# Altium PCB LF_UltraLight_JDY08.PcbDoc (part 1 of 2)
Units mil, origin at the board's own origin, x right, y up, seen from the top; angles counter-clockwise.
Board outline 5133.86 x 1917.32 mil, 4 copper layers (Top Layer, Int1 (GND), Int2 (PWR), Bottom Layer), stack 21.665 mil thick; 72 components, 77 nets, 407 pads, 150 vias.
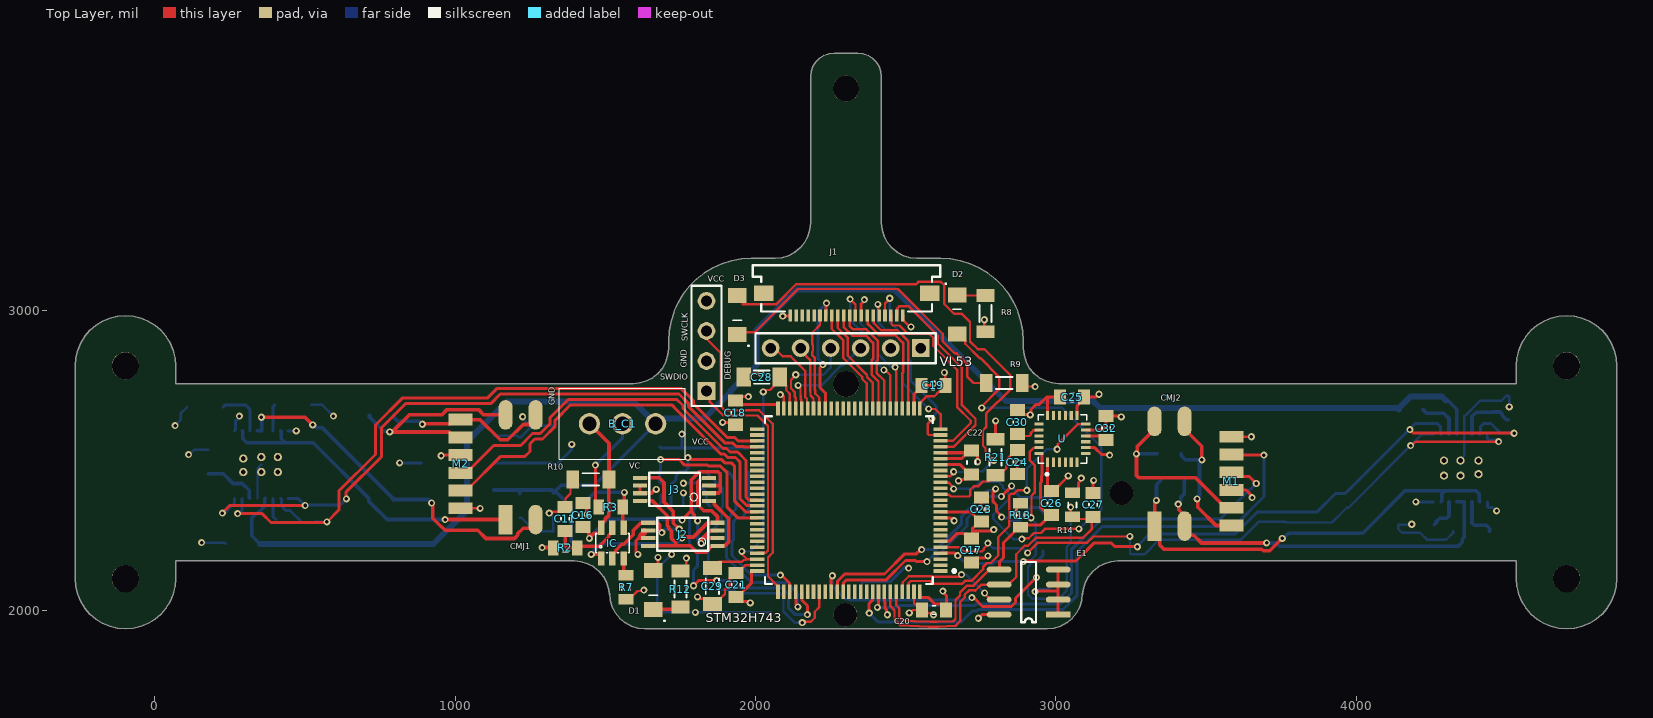
[diagram p0: Top Layer view]
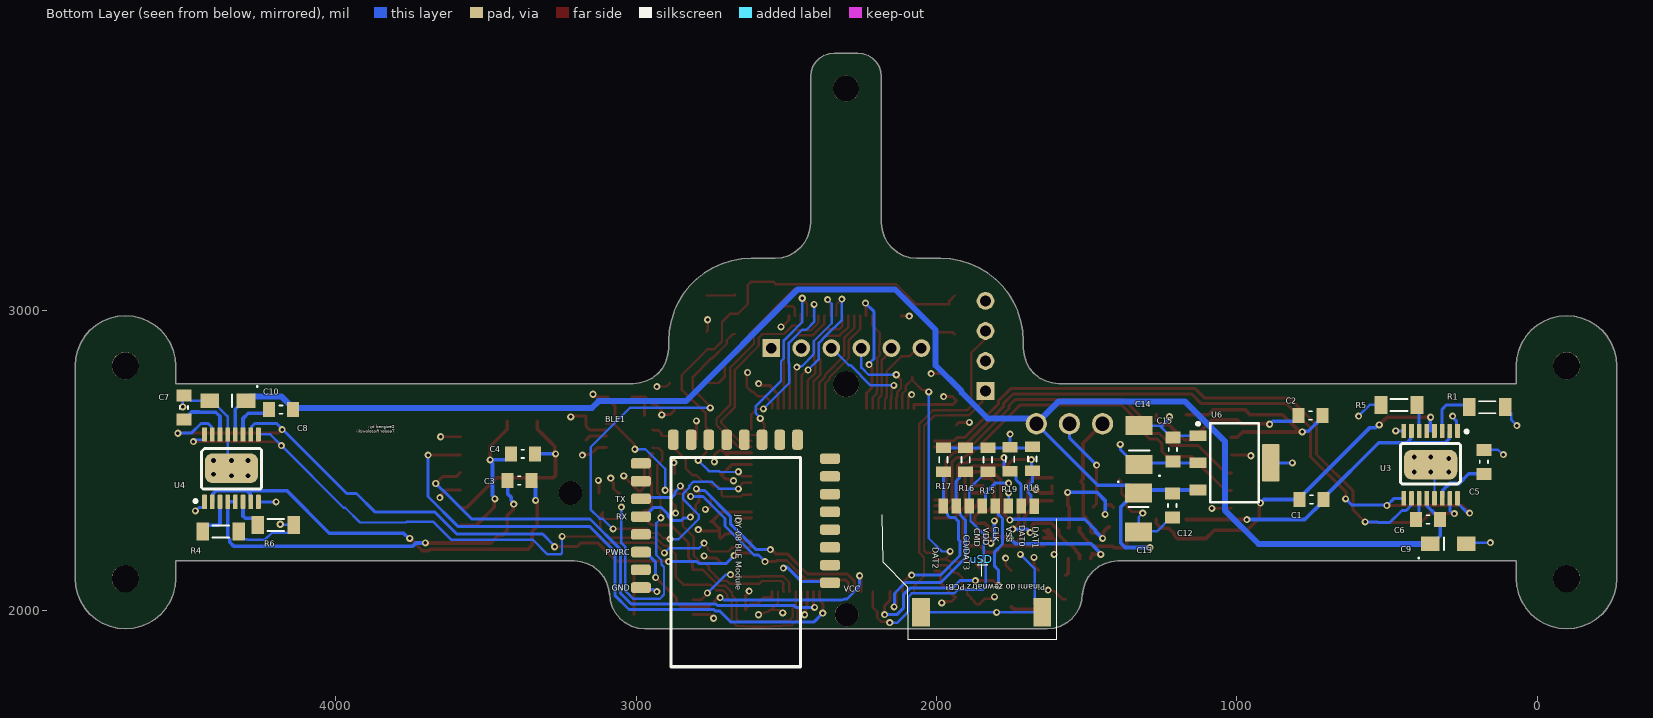
[diagram p1: Bottom Layer view, seen from below]
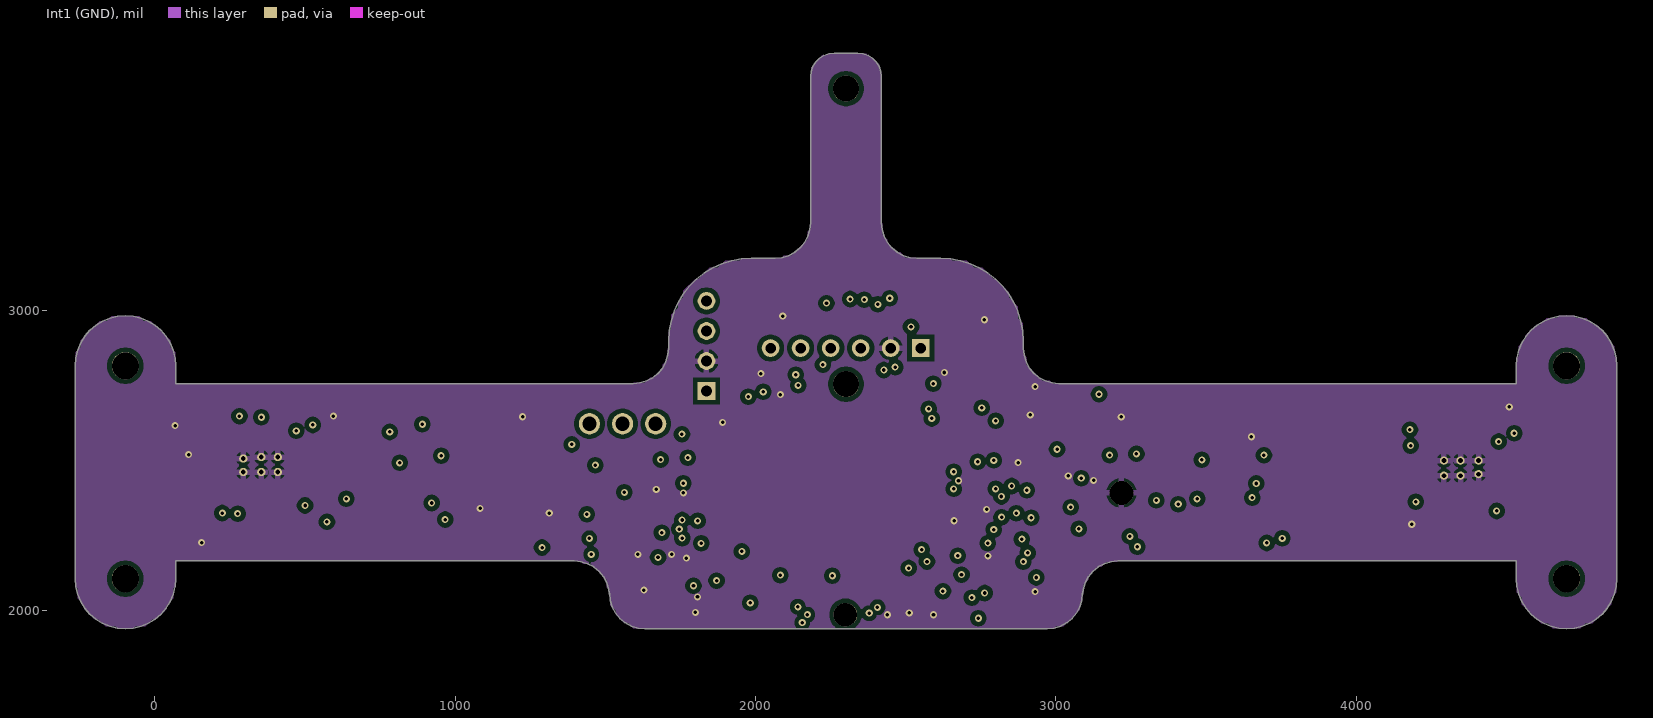
[diagram p2: Int1 (GND)]
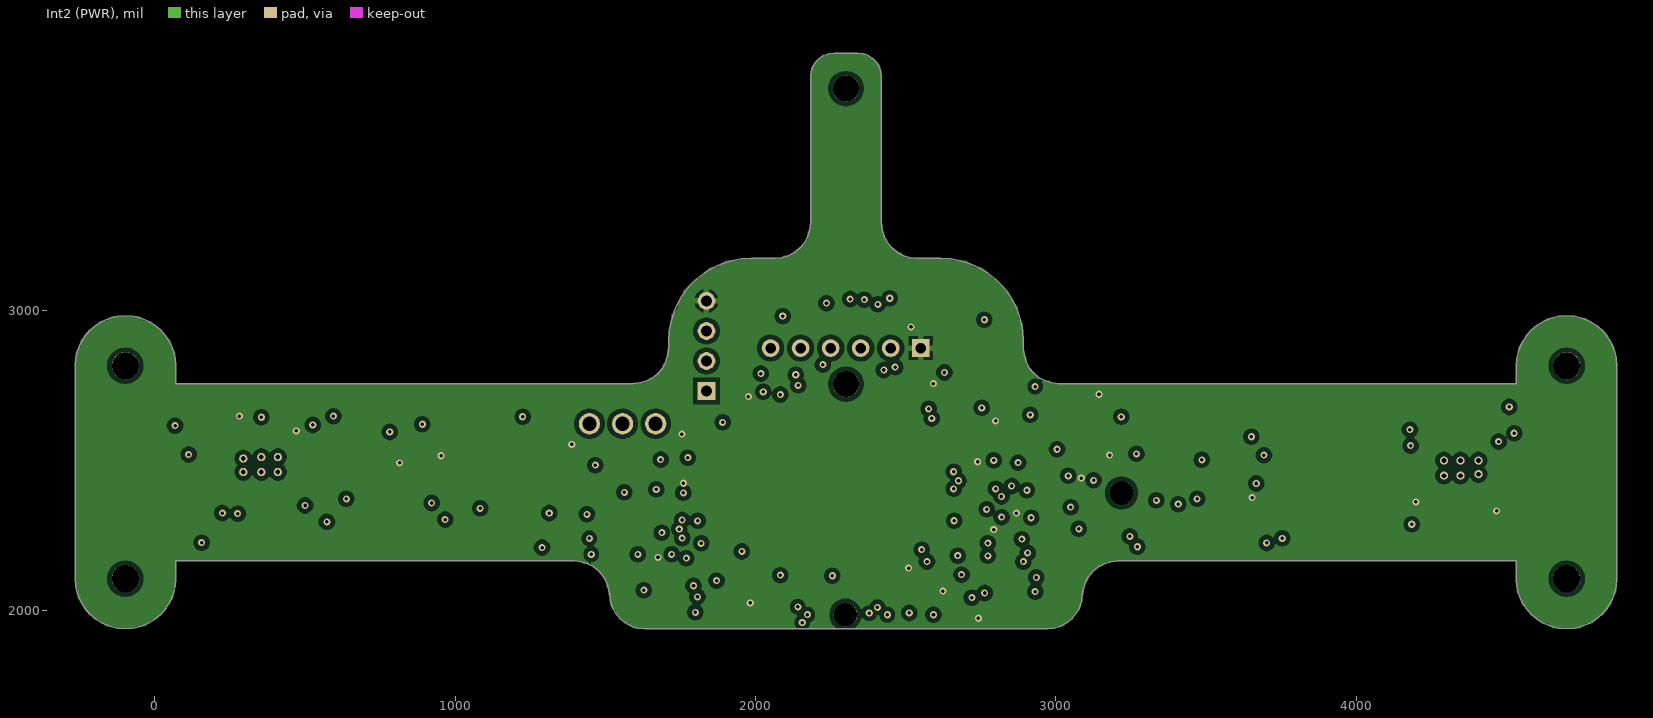
[diagram p3: Int2 (PWR)]
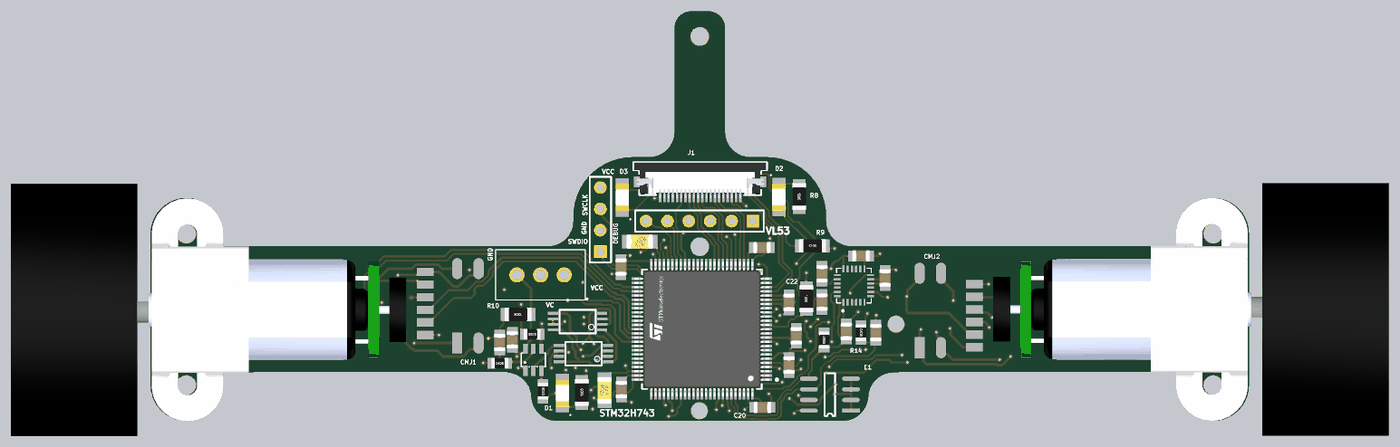
[diagram p5: 3D render of the assembled board from above, using the file's embedded part models]
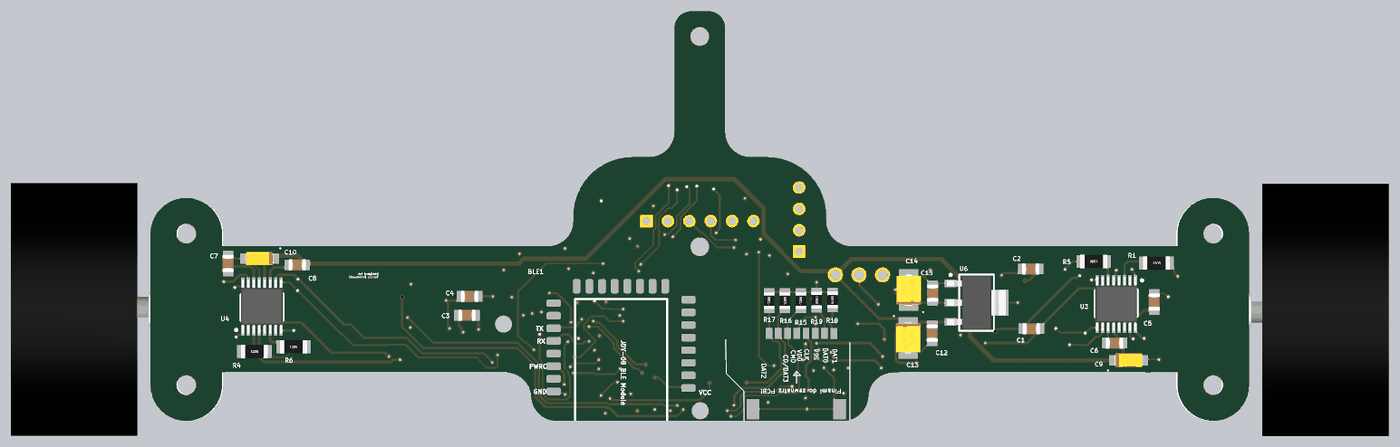
[diagram p6: 3D render of the assembled board from below, using the file's embedded part models]

## Layer stack, top to bottom
Top Solder: solder mask 1, SM-001, Dk 4
Top Layer: signal copper 0.3543
Dielectric 2: prepreg 5.1, PP-017, Dk 4.3
Int1 (GND): signal copper 1.378
Dielectric 3: core 8, Core-025, Dk 4.6
Int2 (PWR): signal copper 1.378
Dielectric 4: prepreg 5.1, PP-017, Dk 4.3
Bottom Layer: signal copper 0.3543
Bottom Solder: solder mask 1, SM-001, Dk 4

## Board outline
68.89,2814.95 66.83,2841.13 60.7,2866.66 50.65,2890.92 36.93,2913.31 19.88,2933.27 -0.08,2950.32 -22.47,2964.04 -46.73,2974.09 -72.26,2980.22 -98.43,2982.28 -124.61,2980.22 -150.14,2974.09 -174.4,2964.04 -196.78,2950.32 -216.75,2933.27 -233.8,2913.31 -247.52,2890.92 -257.57,2866.66 -263.7,2841.13 -265.76,2814.95 -265.76,2106.29 -263.7,2080.12 -257.57,2054.59 -247.52,2030.33 -233.8,2007.94 -216.75,1987.98 -196.78,1970.93 -174.4,1957.21 -150.14,1947.16 -124.61,1941.03 -98.43,1938.97 -72.26,1941.03 -46.73,1947.16 -22.47,1957.21 -0.08,1970.93 19.88,1987.98 36.93,2007.94 50.65,2030.33 60.7,2054.59 66.83,2080.12 68.89,2106.29 68.89,2165.35 1395.66,2165.35 1418.7,2163.08 1440.86,2156.36 1461.28,2145.44 1479.18,2130.75 1493.87,2112.86 1504.78,2092.44 1511.5,2070.28 1513.77,2047.24 1513.77,2057.08 1516.04,2034.04 1522.76,2011.88 1533.68,1991.46 1548.37,1973.56 1566.26,1958.87 1586.68,1947.96 1608.84,1941.24 1631.88,1938.97 2970.47,1938.97 2993.51,1941.24 3015.66,1947.96 3036.08,1958.87 3053.98,1973.56 3068.67,1991.46 3079.59,2011.88 3086.31,2034.04 3088.58,2057.08 3088.58,2047.24 3090.84,2070.28 3097.56,2092.44 3108.48,2112.86 3123.17,2130.75 3141.06,2145.44 3161.49,2156.36 3183.64,2163.08 3206.68,2165.35 4533.45,2165.35 4533.45,2106.29 4535.52,2080.12 4541.65,2054.59 4551.69,2030.33 4565.42,2007.94 4582.47,1987.98 4602.43,1970.93 4624.81,1957.21 4649.08,1947.16 4674.61,1941.03 4700.78,1938.97 4726.95,1941.03 4752.49,1947.16 4776.74,1957.21 4799.13,1970.93 4819.09,1987.98 4836.15,2007.94 4849.86,2030.33 4859.91,2054.59 4866.04,2080.12 4868.1,2106.29 4868.1,2814.95 4866.04,2841.13 4859.91,2866.66 4849.86,2890.92 4836.15,2913.31 4819.09,2933.27 4799.13,2950.32 4776.74,2964.04 4752.49,2974.09 4726.95,2980.22 4700.78,2982.28 4674.61,2980.22 4649.08,2974.09 4624.81,2964.04 4602.43,2950.32 4582.47,2933.27 4565.42,2913.31 4551.69,2890.92 4541.65,2866.66 4535.52,2841.13 4533.45,2814.95 4533.45,2755.9 3009.83,2755.9 2986.79,2758.17 2964.64,2764.89 2944.22,2775.8 2926.32,2790.49 2911.63,2808.39 2900.71,2828.81 2893.99,2850.96 2891.73,2874.01 2891.73,2897.63 2889.72,2930.85 2883.71,2963.59 2873.81,2995.35 2860.16,3025.7 2842.94,3054.18 2822.41,3080.38 2798.88,3103.91 2772.69,3124.44 2744.21,3141.65 2713.86,3155.31 2682.09,3165.21 2649.35,3171.21 2616.14,3173.22 2537.4,3173.22 2514.35,3175.49 2492.19,3182.21 2471.78,3193.13 2453.88,3207.82 2439.19,3225.71 2428.28,3246.13 2421.55,3268.29 2419.28,3291.33 2419.28,3777.55 2417.31,3795.07 2411.48,3811.72 2402.11,3826.64 2389.64,3839.11 2374.71,3848.49 2358.06,3854.32 2340.55,3856.29 2261.8,3856.29 2244.28,3854.32 2227.64,3848.49 2212.71,3839.11 2200.24,3826.64 2190.86,3811.72 2185.04,3795.07 2183.06,3777.55 2183.06,3291.33 2180.8,3268.29 2174.08,3246.13 2163.16,3225.71 2148.47,3207.82 2130.57,3193.13 2110.15,3182.21 2088,3175.49 2064.96,3173.22 1986.21,3173.22 1952.99,3171.21 1920.26,3165.21 1888.49,3155.31 1858.14,3141.65 1829.66,3124.44 1803.46,3103.91 1779.93,3080.38 1759.41,3054.18 1742.19,3025.7 1728.53,2995.35 1718.63,2963.59 1712.63,2930.85 1710.62,2897.63 1710.62,2874.01 1708.35,2850.96 1701.63,2828.81 1690.72,2808.39 1676.03,2790.49 1658.13,2775.8 1637.71,2764.89 1615.55,2758.17 1592.51,2755.9 68.89,2755.9

## Design rules (kind name [scope] priority, off if disabled: settings)
AssemblyTestPointUsage [All] p1 off:
AssemblyTestpoint [All] p1 off: testpointundercomponent=TRUE minsize=40 maxsize=100 preferedsize=60 minholesize=0 maxholesize=40 preferedholesize=32 testpointgrid=1 usegrid=TRUE gridtolerance=0.01 allowsidetop=TRUE allowsidebottom=TRUE
Clearance Keep-Out [OnLayer('Keep-Out Layer')] p1: gap=16 ignorepadtopadclearanceinfootprint=FALSE except(0: Arc-Hole Track-Hole SMDPad-Hole THPad-Hole Via-Hole Fill-Hole Poly-Hole Region-Hole Text-Hole)
Clearance VIA-PAD [IsVIA vs IsPAD] p2: gap=6 ignorepadtopadclearanceinfootprint=FALSE except(0: Arc-Hole Track-Hole SMDPad-Hole THPad-Hole Via-Hole Fill-Hole Poly-Hole Region-Hole Text-Hole)
Clearance Clearance_REF [HasFootprint('Designator_blacking') or HasFootprint('Designator')] p3: gap=8 ignorepadtopadclearanceinfootprint=FALSE except(0: Arc-Hole Track-Hole SMDPad-Hole THPad-Hole Via-Hole Fill-Hole Poly-Hole Region-Hole Text-Hole; 7.99: Arc-Arc Arc-Track Track-Track)
Clearance Clearance_REF60 [HasFootprint('Designator_60_blacking') or HasFootprint('Designator_60')] p4: gap=15 ignorepadtopadclearanceinfootprint=FALSE except(0: Arc-Hole Track-Hole SMDPad-Hole THPad-Hole Via-Hole Fill-Hole Poly-Hole Region-Hole Text-Hole)
Clearance Clearance_28mil [HasFootprint('SFT01')] p5: gap=28 ignorepadtopadclearanceinfootprint=FALSE except(0: Arc-Hole Track-Hole SMDPad-Hole THPad-Hole Via-Hole Fill-Hole Poly-Hole Region-Hole Text-Hole)
Clearance Clearance_26mil [HasFootprint('SW-2') or HasFootprint('SW-4') or HasFootprint('SW-6') or HasFootprint('SW-8')] p6: gap=26 ignorepadtopadclearanceinfootprint=FALSE except(0: Arc-Hole Track-Hole SMDPad-Hole THPad-Hole Via-Hole Fill-Hole Poly-Hole Region-Hole Text-Hole)
Clearance Clearance_20mil [HasFootprint('NXW-02SMD') or HasFootprint('NXW-03SMD') or HasFootprint('NXW-04SMD') or HasFootprint('NXW-05SMD') or HasFootprint('NXW-06SMD') or HasFootprint('NXW-08SMD') or HasFootprint('NXW-10SMD') or HasFootprint('NXW-12SMD') or HasFootprint('GK2X5D_SMD_(PBMTD10S)')or HasFootprint('WE-PD2SA')   or HasFootprint('LK2X10E_SMD_(BHT20S)')] p7: gap=20 ignorepadtopadclearanceinfootprint=FALSE except(0: Arc-Hole Track-Hole SMDPad-Hole THPad-Hole Via-Hole Fill-Hole Poly-Hole Region-Hole Text-Hole)
Clearance Clearance_7.68mil [HasFootprint('TQFP64') vs IsPad] p8: gap=7.68 ignorepadtopadclearanceinfootprint=FALSE except(0: Arc-Hole Track-Hole SMDPad-Hole THPad-Hole Via-Hole Fill-Hole Poly-Hole Region-Hole Text-Hole)
Clearance InPolygon [InPolygon] p9: gap=15 ignorepadtopadclearanceinfootprint=FALSE except(0: Arc-Hole Track-Hole SMDPad-Hole THPad-Hole Via-Hole Fill-Hole Poly-Hole Region-Hole Text-Hole)
Clearance [All] p10: gap=8 ignorepadtopadclearanceinfootprint=FALSE except(0: Arc-Hole Track-Hole SMDPad-Hole THPad-Hole Via-Hole Fill-Hole Poly-Hole Region-Hole Text-Hole; 7.87: Arc-SMDPad Track-SMDPad SMDPad-SMDPad; 7.99: Arc-Arc Arc-Track Track-Track)
ComponentClearance [All] p1: gap=0 collisioncheckmode=3 verticalgap=0 showdistances=FALSE
FabricationTestPointUsage [All] p1 off: valid=0 allowmultiple=FALSE
FabricationTestpoint [All] p1 off: side=3 testpointundercomponent=TRUE minsize=40 maxsize=100 preferedsize=60 minholesize=0 maxholesize=40 preferedholesize=32 testpointgrid=1 allowsidetop=TRUE allowsidebottom=TRUE usegrid=TRUE gridtolerance=0.01
HoleSize HoleSize_Ramka [HasFootprint('hole_frame') or HasFootprint('hole_frame1')] p1: absolutevalues=TRUE maxlimit=118.11 minlimit=118.11 maxpercent=80.000 minpercent=20.000
HoleSize [All] p2: absolutevalues=TRUE maxlimit=196.85 minlimit=11.81 maxpercent=80.000 minpercent=20.000
MinimumSolderMaskSliver MinimumSolderMaskSliver_Ramka [HasFootprint('LOGO-05X18_so')] p1: minsoldermaskwidth=0
MinimumSolderMaskSliver MinimumSolderMaskSliver_Via-Pad [IsVia vs IsPad] p2: minsoldermaskwidth=20
MinimumSolderMaskSliver [All] p3: minsoldermaskwidth=5.5
PolygonConnect PolygonConnect_VIA [ISVIA] p1: connectstyle=Direct reliefconductorwidth=10 reliefentries=4 polygonreliefangle="90 Angle" airgapwidth=10
PolygonConnect PolygonConnect_30mil [HasFootprint('CE-SMD-J80_(H7,9MM)')] p2: connectstyle=Relief reliefconductorwidth=30 reliefentries=4 polygonreliefangle="90 Angle" airgapwidth=10
PolygonConnect PolygonConnect_24mil [HasFootprint('3528-SMDB') or HasFootprint('6032-SMDC') or HasFootprint('7343-SMDD')] p3: connectstyle=Relief reliefconductorwidth=24 reliefentries=4 polygonreliefangle="90 Angle" airgapwidth=10
PolygonConnect PolygonConnect_20mil [HasFootprint('0805R') or HasFootprint('0805C')or HasFootprint('1206R') or HasFootprint('1206C')] p4: connectstyle=Relief reliefconductorwidth=20 reliefentries=4 polygonreliefangle="90 Angle" airgapwidth=10
PolygonConnect PolygonConnect_16mil [HasFootprint('CF2040_V_(ZIF40-0,5MM)')] p5: connectstyle=Relief reliefconductorwidth=16 reliefentries=4 polygonreliefangle="90 Angle" airgapwidth=10
PolygonConnect PolygonConnect_14mil [HasFootprint('SOODIM-200_(TYCO,CONCRAFT 2,5V)') or HasFootprint('SOODIM-200_(TYCO,CONCRAFT 2,5V) - COLIBRI') or HasFootprint('TSSOP24') or HasFootprint('TSSOP20') or HasFootprint('TSSOP18') or HasFootprint('TSSOP16') or HasFootprint('TSSOP14') or HasFootprint('SSOP24-150-0.64') or HasFootprint('SOT-323-5')] p6: connectstyle=Relief reliefconductorwidth=14 reliefentries=4 polygonreliefangle="90 Angle" airgapwidth=10
PolygonConnect PolygonConnect_12mil [HasFootprint('CF2014_D_(ZIF14-0,5MM)') or HasFootprint('CF2040_U_(ODWROTNA NUMERACJA)') or HasFootprint('TQFP144') or HasFootprint('TQFP80') or HasFootprint('TQFP64') or HasFootprint('TQFP48') or HasFootprint('0603C') or HasFootprint('0603R') or HasFootprint('SOT-23-3') or HasFootprint('4D03')or HasFootprint('QFN16-0.65_(H1,6MM)')or HasFootprint('PLCC2') or HasFootprint('PLCC2-S')or HasFootprint('SFH5711')] p7: connectstyle=Relief reliefconductorwidth=12 reliefentries=4 polygonreliefangle="90 Angle" airgapwidth=10
PolygonConnect PolygonConnect_11mil [HasFootprint('QFN20_B&T') or HasFootprint('QFN24_B&T') or HasFootprint('QFN32_31_B&T') or HasFootprint('QFN32_34_B&T') or HasFootprint('QFN36_30x40_LT3958_B&T') or HasFootprint('QFN36_37_B&T') or HasFootprint('QFN36_44_B&T') or HasFootprint('QFN40_41_B&T') or HasFootprint('QFN40_44_B&T_1')or HasFootprint('QFN56_59_B&T')] p8: connectstyle=Relief reliefconductorwidth=11 reliefentries=4 polygonreliefangle="90 Angle" airgapwidth=10
PolygonConnect PolygonConnect_13mil [HasFootprint('QFN12-0.80_21_B&T') or HasFootprint('QFN16-0.65_21_B&T')] p9: connectstyle=Relief reliefconductorwidth=13 reliefentries=4 polygonreliefangle="90 Angle" airgapwidth=10
PolygonConnect PolygonConnect_10mil [HasFootprint('D0603') or HasFootprint('0402') or HasFootprint('D0603R') or HasFootprint('D0603G') or HasFootprint('D0603B') or HasFootprint('D0603Y') or HasFootprint('0402R') or HasFootprint('0402C')] p10: connectstyle=Relief reliefconductorwidth=10 reliefentries=4 polygonreliefangle="90 Angle" airgapwidth=10
PolygonConnect PolygonConnect_NoConnect [HasFootprint('SFT01') or HasFootprint('SW-2') or HasFootprint('SW-4') or HasFootprint('SW-6') or HasFootprint('SW-8') or HasFootprint('SOT-223') or HasFootprint('SOT-223_')] p11: connectstyle=NoConnect reliefconductorwidth=15 reliefentries=4 polygonreliefangle="90 Angle" airgapwidth=10
PolygonConnect [All] p12: connectstyle=Relief reliefconductorwidth=20 reliefentries=4 polygonreliefangle="90 Angle" airgapwidth=10
RoutingVias [All] p1: holewidth=20 width=40 viastyle="Through Hole" minholewidth=11.81 minwidth=23.62 maxholewidth=118.11 maxwidth=157.48
SilkToSilkClearance [All] p1: silktosilkclearance=1
SilkToSolderMaskClearance SilkscreenOverComponentPads [IsPad] p1: minsilkscreentomaskgap=1 clearancetoexposedcopper=TRUE
SolderMaskExpansion [All] p1: expansion=1 istentingtop=FALSE
Width Width_Ramka [HasFootprint('hole_frame') or HasFootprint('hole_frame1') or HasFootprint('Designator_blacking_B&T1') or HasFootprint('Designator_blacking_B&T2') or HasFootprint('Designator_blacking_B&T3') or HasFootprint('Designator_blacking_B&T4') or HasFootprint('Designator_blacking_B&T5')] p1: maxlimit=102.36 minlimit=10 preferedwidth=10
Width [All] p2: maxlimit=100 minlimit=8 preferedwidth=10
21 further rules are at their usual default settings.

## Components (designator, comment, footprint, x,y, rotation, side; value= is the part's Value field where it differs from the comment)
B_C1 "Battery_Connector" WTYCZKANABATERIE 1557.09,2622.05 r0 top
BLE1 "JDY_08" JDY-08_LAYOUT 2964.57,2076.77 r270 bottom
C1 "470n" 0805C#1 711.34,2370.08 r0 bottom
C2 "470n" 0805C#1 714.57,2649.61 r0 bottom
C3 "470n" 0805C#1 3349.13,2433.07 r0 bottom
C4 "470n" 0805C#1 3337.32,2521.65 r0 bottom
C5 "2u2-6V3" 0805C#1 177.17,2455.43 r90 bottom
C6 "100n" 0805C#1 402.83,2303.15 r180 bottom
C7 "2u2-6V3" 0805C#1 4505.91,2635.83 r90 bottom
C8 "100n" 0805C#1 4222.44,2669.29 r180 bottom
C9 "10u-16V" 3216-SMDA 356.22,2222.44 r180 bottom
C10 "10u-16V" 3216-SMDA 4299.29,2698.82 r0 bottom
C11 "100n" 0805C#1 1366.14,2345.75 r270 top
C12 "100n" 0805C#1 1214.57,2389.76 r270 bottom
C13 "47u-10V" 3528-SMDB 1326.77,2391.81 r270 bottom
C14 "47u-10V" 3528-SMDB 1324.8,2486.14 r90 bottom
C15 "100n" 0805C#1 1212.6,2496.77 r90 bottom
C16 "100n" 0805C#1 1425.2,2358.27 r270 top
C17 "100n" 0805C#1 2718.5,2240.16 r270 top
C18 "100n" 0805C#1 1933.07,2698.82 r270 top
C19 "100n" 0805C#1 2551.89,2750 r0 top
C20 "100n" 0805C#1 2633.86,2001.97 r180 top
C21 "100n" 0805C#2 1935.04,2045.28 r90 top
C22 "100n" 0805C#2 2718.5,2533.46 r270 top
C23 "100n" 0805C#2 2751.97,2297.24 r90 top
C24 "100n" 0805C#1 2872.05,2534.72 r270 top
C25 "100n" 0805C#1 3094.49,2710.63 r180 top
C26 "22p" 0805C#1 2986.22,2317.64 r90 top
C27 "22p" 0805C#1 3124.02,2311.73 r90 top
C28 "2.2uF" 1206C 1960.71,2777.56 r0 top
C29 "2.2uF" 1206C 1856.3,2021.73 r90 top
C30 "2n2" 0805C#1 2872.05,2587.32 r90 top
C32 "100n" 0805C#1 3167.32,2567.64 r90 top
CMJ1 "CMJ2101" CMJ2101FP 1167.72,2303.15 r90 top
CMJ2 "CMJ2101" CMJ2101FP 3328.74,2281.5 r90 top
D1 "n.m." D1206#1 1659.45,2003.86 r90 top
D2 "n.m." D1206#2 2671.26,3051.18 r270 top
D3 "n.m." D1206#2 1938.98,2919.21 r90 top
DEBUG "Header 4" HDR1X4 1836.61,2731.1 r90 top (schematic designator P3)
E1 "EEPROM M24C16" SOP8EEPROM 3007.87,1986.61 r180 top
IC "TC2120" SOT23-6 1523.62,2224.41 r0 top
J1 "KOMUNIKACJA Z CZUJNIKAMI" 687120183722 2303.15,3072.83 r180 top
J2 "8205A" TSSOP8 1757.87,2253.94 r180 top
J3 "8205A" TSSOP8 1730.32,2403.54 r180 top
M1 "Silnikpololuenkoderyiklamra" PCBCOMPONENT_1 4736.22,2785.43 r0 top locked
M2 "Silnikpololuenkoderyiklamra" PCBCOMPONENT_1 -133.86,2133.86 r180 top locked
R1 "0.1" 1206R 226.3,2677.17 r180 bottom
R2 "330R-1%" 0805R 1326.77,2208.66 r0 top
R3 "330R-1%" 0805R 1478.35,2344.49 r0 top
R4 "0.1" 1206R 4442.83,2263.78 r180 bottom
R5 "0.1" 1206R 399.68,2685.04 r0 bottom
R6 "0.1" 1206R 4259.76,2285.43 r180 bottom
R7 "2k-1%" 0805R 1568.9,2037.4 r90 top
R8 "470R-1%" 1206R 2765.75,3049.13 r270 top
R9 "470R-1%" 1206R 2767.72,2757.87 r0 top
R10 "0R" 1206R 1511.81,2437.01 r180 top
R12 "470R-1%" 1206R 1750,2011.89 r90 top
R13 "3k-1%" 0805R 2881.89,2357.56 r270 top
R14 "3k-1%" 0805R 3055.12,2391.73 r270 top
R15 "47k-1%" 0805R 1828.96,2541.97 r270 bottom
R16 "47k-1%" 0805R 1902.97,2541.97 r270 bottom
R17 "47k-1%" 0805R 1976.98,2541.97 r270 bottom
R18 "47k-1%" 0805R 1680.94,2545.2 r270 bottom
R19 "47k-1%" 0805R 1754.95,2543.94 r270 bottom
R21 "10k-1%" 1206R 2799.21,2570.79 r270 top
STM32H743 "STM32H743VIT6" FP-LQFP100-1L-MFG 2311.02,2368.11 r180 top (schematic designator U5)
U "MPU-6050" QFN50P400X400X95-24N 3021.65,2572.05 r90 top
U3 "DRV8833PWPBYT" DRV8833PWPBYTEOR 354.33,2486.22 r270 bottom
U4 "DRV8833PWPBYT" DRV8833PWPBYTEOR 4347.44,2474.41 r90 bottom
U6 "LM1117MP-3.3/NOPB" DCY0004A_L 1007.87,2492.13 r180 bottom
uSD "uSD_socket" PCBComponent_1 1859.17,2152.32 r180 bottom
VL53 "VL53L0X_Conn" HDR1X6 2550,2874.02 r180 top

## Footprints (in the part's own frame and the unit in brackets; to place one, negate y for a bottom-side part, rotate by r counter-clockwise, add the part's x,y. Pads: shape width x height; smd on the part's side, far side on the other; paste and mask are expansions set on the pad)
0805C#1 [mil]
  rect 40x50 smd mask+1: 1(0,0) 2(80,0)
  silkscreen extent 35,-14 45,14, body extent -1,-27 81,27, height 53
0805C#2 [mil]
  rect 40x50 smd: 1(0,0) 2(80,0)
  silkscreen extent 35,-14 45,14, body extent -1,-27 81,27, height 53
0805R [mil]
  rect 35x50 smd mask+1: 1(0,0) 2(80,0)
  silkscreen extent 31,-14 49,14, body extent 1,-25 79,25, height 23
1206C [mil]
  rect 47x64 smd: 1(0,0) 2(120,0)
  silkscreen extent 34,-22 86,22, body extent -3,-33 123,33, height 67
1206R [mil]
  rect 42x60 smd mask+1: 1(0,0) 2(120,0)
  silkscreen extent 32,-20 88,20, body extent -3,-31 123,31, height 24
3216-SMDA [mil]
  rect 62x48 smd mask+1: 1(0,0) 2(120,0)
  silkscreen extent -40,-49 46,21, body extent -7,-32 127,31, height 65
3528-SMDB [mil]
  rect 64x90 smd mask+1: 1(0,0) 2(130,0)
  silkscreen extent -39,-70 47,33, body extent -8,-58 138,58, height 80
687120183722 [mm] "ZIF Connectors, Horizontal, Bottom Contact Low Profile, pitch 0.5mm, 20p"
  rect 0.3x1 smd: 1(-4.75,2.3) 2(-4.25,2.3) 3(-3.75,2.3) 4(-3.25,2.3) 5(-2.75,2.3) 6(-2.25,2.3) 7(-1.75,2.3) 8(-1.25,2.3) 9(-0.75,2.3) 10(-0.25,2.3) 11(0.25,2.3) 12(0.75,2.3) 13(1.25,2.3) 14(1.75,2.3) 15(2.25,2.3) 16(2.75,2.3) 17(3.25,2.3) 18(3.75,2.3) 19(4.25,2.3) 20(4.75,2.3)
  rect 1.65x1.3 smd: MP1(-7.025,0.4) MP2(7.025,0.4)
  silkscreen extent -7.92,-1.95 7.93,1.95, body extent -7.85,-1.9 7.85,2.35, height 1.28
CMJ2101FP [mm]
  rect 2.5x1.2 smd: 1(0,0)
  oval 2.5x1.2 smd: 2(0,-2.54) 3(8.85,-2.54) 4(8.85,0)
  body extent 0.3,-3.55 8.91,0.99, height 5
D1206#1 [mil]
  rect 50x62 smd: 1(0,0) 2(130,0)
  silkscreen extent -39,-40 48,14, body extent 2,-31 128,32, height 43
D1206#2 [mil]
  rect 50x62 smd mask+1: 1(0,0) 2(130,0)
  silkscreen extent -39,-39 48,14, body extent 2,-31 128,32, height 43
DCY0004A_L [mm] "SOT223, 4-Leads, Body 6.7x3.7mm, Pitch 2.3mm, IPC High Density"
  rrect11% 1.45x0.9 smd: 1(-3.075,2.3) 2(-3.075,0) 3(-3.075,-2.3)
  rrect7% 1.45x3.15 smd: 4(3.075,0)
  silkscreen extent -3.2,-3.35 2.05,3.42, body extent -3.5,-3.25 3.5,3.25, height 1.62
DRV8833PWPBYTEOR [mm]
  rrect25% 1.2x0.4 smd: 1(-2.85,2.275) 2(-2.85,1.625) 3(-2.85,0.975) 4(-2.85,0.325) 5(-2.85,-0.325) 6(-2.85,-0.975) 7(-2.85,-1.625) 8(-2.85,-2.275) 9(2.85,-2.275) 10(2.85,-1.625) 11(2.85,-0.975) 12(2.85,-0.325) 13(2.85,0.325) 14(2.85,0.975) 15(2.85,1.625) 16(2.85,2.275)
  round 0.7 hole 0.4: 17(-0.635,-1.397) 17(-0.635,0) 17(-0.508,1.524) 17(0.635,-1.397) 17(0.635,0) 17(0.635,1.524)
  rrect50% 2.5x4.5 smd: 17(0,0)
  silkscreen extent -2.92,-2.54 1.65,3.17, body extent -3.21,-2.5 3.21,2.5, height 0.98
FP-LQFP100-1L-MFG [mm]
  rect 1.2x0.3 smd paste+0 mask+0: 1(-7.75,6) 2(-7.75,5.5) 3(-7.75,5) 4(-7.75,4.5) 5(-7.75,4) 6(-7.75,3.5) 7(-7.75,3) 8(-7.75,2.5) 9(-7.75,2) 10(-7.75,1.5) 11(-7.75,1) 12(-7.75,0.5) 13(-7.75,0) 14(-7.75,-0.5) 15(-7.75,-1) 16(-7.75,-1.5) 17(-7.75,-2) 18(-7.75,-2.5) 19(-7.75,-3) 20(-7.75,-3.5) 21(-7.75,-4) 22(-7.75,-4.5) 23(-7.75,-5) 24(-7.75,-5.5) 25(-7.75,-6) 51(7.75,-6) 52(7.75,-5.5) 53(7.75,-5) 54(7.75,-4.5) 55(7.75,-4) 56(7.75,-3.5) 57(7.75,-3) 58(7.75,-2.5) 59(7.75,-2) 60(7.75,-1.5) 61(7.75,-1) 62(7.75,-0.5) 63(7.75,0) 64(7.75,0.5) 65(7.75,1) 66(7.75,1.5) 67(7.75,2) 68(7.75,2.5) 69(7.75,3) 70(7.75,3.5) 71(7.75,4) 72(7.75,4.5) 73(7.75,5) 74(7.75,5.5) 75(7.75,6)
  rect 0.3x1.2 smd paste+0 mask+0: 26(-6,-7.75) 27(-5.5,-7.75) 28(-5,-7.75) 29(-4.5,-7.75) 30(-4,-7.75) 31(-3.5,-7.75) 32(-3,-7.75) 33(-2.5,-7.75) 34(-2,-7.75) 35(-1.5,-7.75) 36(-1,-7.75) 37(-0.5,-7.75) 38(0,-7.75) 39(0.5,-7.75) 40(1,-7.75) 41(1.5,-7.75) 42(2,-7.75) 43(2.5,-7.75) 44(3,-7.75) 45(3.5,-7.75) 46(4,-7.75) 47(4.5,-7.75) 48(5,-7.75) 49(5.5,-7.75) 50(6,-7.75) 76(6,7.75) 77(5.5,7.75) 78(5,7.75) 79(4.5,7.75) 80(4,7.75) 81(3.5,7.75) 82(3,7.75) 83(2.5,7.75) 84(2,7.75) 85(1.5,7.75) 86(1,7.75) 87(0.5,7.75) 88(0,7.75) 89(-0.5,7.75) 90(-1,7.75) 91(-1.5,7.75) 92(-2,7.75) 93(-2.5,7.75) 94(-3,7.75) 95(-3.5,7.75) 96(-4,7.75) 97(-4.5,7.75) 98(-5,7.75) 99(-5.5,7.75) 100(-6,7.75)
  silkscreen extent -9.03,-7.1 7.1,7.1, body extent -8.45,-8.45 8.45,8.45, height 0.25
HDR1X4 [mm] "Connector; Header; 4 Position"
  rect 1.5x1.5 hole 0.9: 1(0,0)
  round 1.5 hole 0.9: 2(2.54,0) 3(5.08,0) 4(7.62,0)
  silkscreen extent -1.27,-1.27 8.89,1.27
HDR1X6 [mm] "Connector; Header; 6 Position"
  rect 1.5x1.5 hole 0.9: 1(0,0)
  round 1.5 hole 0.9: 2(2.54,0) 3(5.08,0) 4(7.62,0) 5(10.16,0) 6(12.7,0)
  silkscreen extent -1.27,-1.27 13.97,1.27
JDY-08_LAYOUT [mm]
  rrect50% 0.9x1.7 smd: 1(-0.4,15.5) 2(-1.9,15.5) 3(-3.4,15.5) 4(-4.9,15.5) 5(-6.4,15.5) 6(-7.9,15.5) 7(-9.4,15.5) 8(-10.9,15.5) 17(-10.5,-0.5) 18(-9,-0.5) 19(-7.5,-0.5) 20(-6,-0.5) 21(-4.5,-0.5) 22(-3,-0.5) 23(-1.5,-0.5) 24(0,-0.5)
  rrect50% 1.7x0.9 smd: 9(-12.5,12.75) 10(-12.5,11.25) 11(-12.5,9.75) 12(-12.5,8.25) 13(-12.5,6.75) 14(-12.5,5.25) 15(-12.5,3.75) 16(-12.5,2.25)
  silkscreen extent -10.98,2.06 6.7,12.98, body extent -12,1 6.7,14, height 2
PCBCOMPONENT_1 [mm]
  rect 2x1 smd: 1(-29.25,-5.25) 2(-29.25,-6.75) 3(-29.25,-8.25) 4(-29.25,-9.75) 5(-29.25,-11.25) 6(-29.25,-12.75)
  body extent -27,-23.25 19.94,6.75, height 19.75
PCBComponent_1 [mm]
  rect 0.8x1.3 smd: 1(-3.014,4.981) 2(-1.914,4.981) 3(-0.814,4.981) 4(0.286,4.981) 5(1.386,4.981) 6(2.486,4.981) 7(3.586,4.981) 8(4.693,4.967)
  rect 1.5x2.4 smd: SH1(-4.887,-4.019) SH1(5.373,-4.019)
  silkscreen extent -8.16,-6.32 6.59,4.24, body extent -8.18,-6.04 6.44,4.33, height 1
QFN50P400X400X95-24N [mm]
  rect 0.79x0.26 smd: 1(-1.97,1.25) 2(-1.97,0.75) 3(-1.97,0.25) 4(-1.97,-0.25) 5(-1.97,-0.75) 6(-1.97,-1.25) 13(1.97,-1.25) 14(1.97,-0.75) 15(1.97,-0.25) 16(1.97,0.25) 17(1.97,0.75) 18(1.97,1.25)
  rect 0.26x0.79 smd: 7(-1.25,-1.97) 8(-0.75,-1.97) 9(-0.25,-1.97) 10(0.25,-1.97) 11(0.75,-1.97) 12(1.25,-1.97) 19(1.25,1.97) 20(0.75,1.97) 21(0.25,1.97) 22(-0.25,1.97) 23(-0.75,1.97) 24(-1.25,1.97)
  silkscreen extent -3.1,-2.05 2.05,2.05
SOP8EEPROM [mm]
  rect 2.1x0.5 smd: 1(0,0)
  oval 2.1x0.5 smd: 2(0,-1.27) 3(0,-2.54) 4(0,-3.81) 5(5,-3.81) 6(5,-2.54) 7(5,-1.27) 8(5,0)
  silkscreen extent 1.89,-4.44 3.12,0.64, body extent 0.63,-4.44 4.32,0.51, height 2
SOT23-6 [mm]
  rect 0.55x1.2 smd: 1(-0.95,-1.3) 2(0,-1.3) 3(0.95,-1.3) 4(0.95,1.3) 5(0,1.3) 6(-0.95,1.3)
  silkscreen extent -1.42,-0.81 1.42,0.81
TSSOP8 [mm]
  rect 1.2x0.35 smd: 1(-2.925,0.975) 2(-2.925,0.325) 3(-2.925,-0.325) 4(-2.925,-0.975) 5(2.925,-0.975) 6(2.925,-0.325) 7(2.925,0.325) 8(2.925,0.975)
  silkscreen extent -2.15,-1.4 2.15,1.4
WTYCZKANABATERIE [mm]
  round 1.8 hole 1.2: 1(2.8,0) 2(0,0) 3(-2.8,0)
  silkscreen extent -5.33,-3 5.3,3

## Part data
C1 C2 C3 C4 C6 C8 C11 C12 C15 C16 C24 C25 C32: library part "100n  0805", "Kond. ceramiczny X7R  50V  10%", Indeks=5566, Nazwa=100n
C5 C7: library part "2u2-6V3  0805", "Kond. ceramiczny X7R  6V3  10%", Indeks=20978, Nazwa=2u2-6V3
C9 C10: library part "10u-16V  3216", "Kond. tantalowy  A  16V  20%", Indeks=12471, Nazwa=10u-16V
C13 C14: library part "47u-10V  3528", "Kond. tantalowy  B  10V  20%", Indeks=4032, Nazwa=47u-10V
C17 C18 C19 C20 C21 C22 C23: library part "10n  0805", "Kond. ceramiczny X7R  50V  10%", Nazwa=10n
C26 C27: library part "22p  0805", "Kond. ceramiczny NP0  50V", Nazwa=22p
C28 C29: library part Cap_2.2uF_X7R_10%_1206, "Capacitor,2.2uF,16V, X7R,10%,1206,YAGEO", Manuf_1=YAGEO, Manuf_2=KEMET, Manuf_Part_1=CC1206KKX7R7BB225, Manuf_Part_2=C1206C225K4RAC, ECCN_US/EU=n/a, Order=CC1206KKX7R7BB225, Revision="July-2002: Re-released for DXP Platform."
C30: library part "2n2  0805", "Kond. ceramiczny X7R  50V  10%", Nazwa=2n2
CMJ1 CMJ2: "Dlawik 100uH 500mA"
D1 D2 D3: library part "n.m.  D1206", "Dioda LED", Index=-, Nazwa=n.m.
DEBUG: "Header, 4-Pin", LatestRevisionDate=17-Jul-2002, LatestRevisionNote="Re-released for DXP Platform.", Publisher="Altium Limited"
IC: "Pushbutton Switch SPST-NC Standard Panel Mount, Front", Package="Package Analog Devices", Availability=Unavailable, MF="Fortune Semiconductor", MP=DW01A, Price=None, SnapEDA_Link=https://www.snapeda.com/parts/DW01A/Fortune%20Semiconductor/view-part/4388554/?ref=snap
J1: library part CMP-1502-01579-1, "SMT ZIF Connectors Low Profile WR-FPC, Horizontal, Bottom Contact, pitch 0.5 mm, 20 pins", Contact Resistance=30mOhm, Manufacturer="Wurth Elektronik", Operating Temperature=-25to85degC, Package Reference=687120183722, Rated Current=0.4A, Withstanding Voltage=250VAC, Working Voltage=50VAC, Contact Design=BottomContact, Datasheet URL=https://katalog.we-online.de/em/datasheet/687120183722.pdf, Manufacturer URL=http://www.we-online.de, Mounting Technology=SMT, Orientation=Horizontal, Packaging=TapeandReel, Part Number=687120183722, Pin Number=20, Pitch=0.5mm, Publisher=WurthElektronik
J2 J3: Package=None, Availability="In Stock", Check_prices=https://www.snapeda.com/parts/8205A/EMI/view-part/6619087/?ref=eda, MF=onsemi, MP=8205A, Price=None, Purchase-URL=https://pricing.snapeda.com/search/part/8205A/?ref=eda, SnapEDA_Link=https://www.snapeda.com/parts/8205A/EMI/view-part/6619087/?ref=snap
R1 R4 R5 R6: library part "0R12-1%  1206", "Rezystor 0,25W", Nazwa=0R12-1%
R2 R3: library part "330R-1%  0805", "Rezystor 0,125W", Nazwa=330R-1%
R7: library part "2k-1%  0805", "Rezystor 0,125W", Nazwa=2k-1%
R8 R9 R12: library part "470R-1%  1206", "Rezystor 0,25W", Nazwa=470R-1%
R10: library part "0R  1206", "Rezystor 0,25W  2A ( 10A max )  < 0R05  200V", Nazwa=0R
R13 R14: library part "3k-1%  0805", "Rezystor 0,125W", Nazwa=3k-1%
R15 R16 R17 R18 R19: library part "47k-1%  0805", "Rezystor 0,125W", Nazwa=47k-1%
R21: library part "10k-1%  1206", "Rezystor 0,25W", Nazwa=10k-1%
STM32H743: library part CMP-12105-000050-1, "IC MCU 32BIT 2MB FLASH 100LQFP", Ambient Temperature Range High=+85°C, Ambient Temperature Range Low=-40°C, Frequency=480MHz, Manufacturer=STMicroelectronics, Max Junction Temp=+125°C, Max Supply Voltage=3.6V, Min Supply Voltage=1.71V, Package=LQFP100-1L, Temperature="-40°C to +125°C", Automotive=No, Category=IC, ComponentLink2Description=Datasheet, ComponentLink2URL=https://www.st.com/resource/en/datasheet/stm32h743vi.pdf, Core Architecture="Arm Cortex-M7", Data Bus Width=32bits, Device Class L1="Integrated Circuits (ICs)", Device Class L2="Embedded Processors and Controllers", Device Class L3=Microcontrollers, Digikey Description="IC MCU 32BIT 2MB FLASH 100LQFP", Height=1.6mm, Interface=I2C,SPI,UART,USART,USB,LIN,IrDA,Ethernet,I2S,Other, Ipc Land Pattern Name=QFP50P1600X1600X160-100, Lead Free=Yes, Manufacturer Part Number=STM32H743VIT6, Memory Size=2MBytes, Memory Type=FLASH, Number Of A/D Converters=3, Number Of Adc Channels=36, Number Of Cores=1, Number Of Ethernet Channels=1, Number Of I2C Channels=4, Number Of I/Os=82, Number Of Pwm Channels=42, Number Of Spi Channels=6, Number Of Timers/Counters=20, Number Of Uart Channels=9, Number Of Usb Channels=2, Octopart=https://octopart.com/stm32h743vit6-stmicroelectronics-76372527, Ram Size=1060KBytes, RoHS=TRUE, Standoff Height=0.05mm, Temperature Range High=+125°C, Temperature Range Low=-40°C
U: "Accelerometer, Gyroscope, 6 Axis Sensor IÂ²C Output", Package="VFQFN-24 TDK InvenSense", Availability=Unavailable, MF="TDK InvenSense", MP=MPU-6050, Price=None, SnapEDA_Link=https://www.snapeda.com/parts/MPU-6050/TDK%20InvenSense/view-part/4503180/?ref=snap
U3 U4: "Mostek caly by TEOR"
U6: library part CMP-0062-01638-4, "800mA Low-Dropout Linear Regulator, 4-pin SOT-223, Pb-Free", Manufacturer="Texas Instruments", PackageTopMarking=XYTT*N05A, PowerWise=N, Code_IPC=SOT223-4, Code_JEDEC=TO-261-AA, ComponentLink1Description="Datasheet URL", ComponentLink1URL=http://www.ti.com/general/docs/lit/getliterature.tsp?genericPartNumber=LM1117-N&fileType=pdf, CompType="LDO IC", High-Reliability=Y, PackageDescription="Molded SOT-223, 6.50 x 3.56 x 1.6mm Body, 4 Lead, 2.3mm Pitch", PackageReference=DCY0004A, PartNumber=LM1117MP-3.3/NOPB, PinCount=4, RoHS=Y
VL53: library part "Header 6", "Header, 6-Pin", LatestRevisionDate=17-Jul-2002, LatestRevisionNote="Re-released for DXP Platform.", Publisher="Altium Limited"

## Free pads (board coordinates)
  round 90.55 hole 90.55: 1(-98.43,2106.29) 1(-98.43,2814.95) 1(4700.78,2106.29) 1(4700.78,2814.95)
  round 86.61 hole 86.61: 1(2301.17,2753.93) 1(2301.17,3738.18)
  round 78.74 hole 78.74: 2(2299.21,1986.22) 2(3218.5,2391.73)

## Via types
v1: diameter 23.62/23.62/23.62/23.62 (per signal layer), hole 11.81, Top Layer to Bottom Layer, tented both sides, 84 vias
v2: diameter 23.62, hole 11.81, Top Layer to Bottom Layer, tented both sides, 66 vias

## Nets (pads, with @x,y where several pads share a name; then routed paths per layer and width w, separated by ;. In a path a pad name is that pad's centre, name@x,y a point inside that pad or via, vN(x,y) a via of type N, cw(c..) or ccw(c..) an arc to the next point about the centre after c; other vN are vias at no path point)
ADC1_0: J1.2 STM32H743.22 | length 699.5
  Top Layer w8: J1.2@2470.47,2982.28 2472.38,2984.19 2472.38,3006.89 2479.33,3013.84 2508.82,3013.84 2607.52,2915.14 2607.52,2888.54 2687.25,2808.81 2687.25,2684.29 2732.53,2639.02 2732.53,2618.4 2659.41,2545.28 STM32H743.22@2616.14,2545.28
ADC1_1: J1.3 STM32H743.23 | length 651
  Top Layer w8: J1.3@2452.69,2986.35 2452.69,2953.31 2456.69,2949.31 2479.41,2949.31 2507.75,2920.97 2579.08,2920.97 2591.53,2908.51 2591.53,2881.92 2671.26,2802.19 2671.26,2677.67 2716.54,2632.39 2716.54,2625.02 2656.47,2564.96 STM32H743.23@2616.14,2564.96
ADC1_2: J1.4 STM32H743.24 | length 636.8
  Top Layer w8: J1.4@2431.1,2982.28 2431.1,3022.07 2446.85,3037.82 v2(2446.85,3040) ; v1(2586.61,2639.76) 2586.61,2635.54 2572.83,2621.76 2572.83,2589.33 2577.52,2584.65 STM32H743.24@2616.14,2584.65
  Bottom Layer w8: v2(2446.85,3040) 2446.85,2960.63 2507.87,2899.61 2507.87,2840.12 2517.72,2830.27 2517.72,2763.99 2602.36,2679.34 2602.36,2657.69 2586.61,2641.94 v1(2586.61,2639.76)
ADC1_3: J1.5 STM32H743.25 | length 563.5
  Top Layer w8: v2(2407.29,3019.78) 2409.51,3017.56 2409.51,2984.19 J1.5@2411.42,2982.28 ; v2@2576.56,2671.26 2598.43,2671.26 2616.14,2653.54 STM32H743.25@2616.14,2604.33
  Bottom Layer w8: v2(2407.29,3019.78) 2407.29,2960.82 2433.07,2935.04 2447.71,2935.04 2491.53,2891.22 2491.53,2825.23 2490.16,2823.86 2490.16,2757.87 v2(2576.56,2671.47)
ADC1_4: J1.6 STM32H743.28 | length 388.8
  Top Layer w8: J1.6@2391.73,2982.28 2393.64,2980.38 2393.64,2957.68 2418,2933.31 2472.05,2933.31 2507.87,2897.49 STM32H743.28@2507.87,2673.23
ADC1_5: J1.7 STM32H743.29 | length 392
  Top Layer w8: J1.7@2372.05,2982.28 2373.95,2980.38 2373.95,2954.02 2410.65,2917.32 2465.42,2917.32 2491.53,2891.22 2491.53,2793.7 2488.19,2790.36 STM32H743.29@2488.19,2673.23
ADC1_6: J1.8 STM32H743.30 | length 485.1
  Top Layer w8: J1.8@2352.36,2982.28 2352.36,3021.36 2362.2,3031.21 v2(2362.2,3035.43) ; v2(2464.97,2810.62) 2468.5,2807.09 STM32H743.30@2468.5,2673.23
  Int2 (PWR) w8: v2@2362.2,3033.32 v2(2362.2,3035.43)
  Bottom Layer w8: v2(2362.2,3035.43) 2348.43,3021.65 2348.43,2956.94 2408.47,2896.89 2408.47,2856.81 2409.45,2855.84 2409.45,2852.36 2448.2,2813.61 2461.98,2813.61 v2(2464.97,2810.62)
ADC1_7: J1.9 STM32H743.31 | length 485.3
  Top Layer w8: v1(2314.96,3037.4) 2332.68,3019.69 2332.68,2984.19 J1.9@2334.58,2982.28 ; v1(2427.04,2801.1) 2431.19,2801.1 2448.82,2783.47 STM32H743.31@2448.82,2673.23
  Bottom Layer w8: v1(2314.96,3037.4) 2314.96,2967.78 2367.2,2915.54 2391.53,2891.22 2391.53,2837.93 2427.04,2802.42 v1(2427.04,2801.1)
ADC1_8: J1.10 STM32H743.32 | length 386.8
  Top Layer w8: J1.10@2312.99,2982.28 2312.99,2947.81 2324.3,2936.51 2368.86,2936.51 2407.52,2897.84 2407.52,2833.44 2403.23,2829.14 2403.23,2791.24 2429.13,2765.33 STM32H743.32@2429.13,2673.23
ADC1_9: J1.11 STM32H743.33 | length 386.8
  Top Layer w8: J1.11@2293.31,2982.28 2293.31,2944.88 2322.65,2915.54 2367.2,2915.54 2391.53,2891.22 2391.53,2840.06 2387.23,2835.77 2387.23,2784.61 2409.45,2762.4 STM32H743.33@2409.45,2673.23
ADC1_10: J1.12 STM32H743.34 | length 357.2
  Top Layer w8: J1.12@2273.62,2982.28 2273.62,2941.05 2307.52,2907.15 2307.52,2848.41 2371.24,2784.69 2371.24,2777.99 2389.76,2759.47 STM32H743.34@2389.76,2673.23
ADC1_11: J1.13 STM32H743.35 | length 357.2
  Top Layer w8: J1.13@2253.94,2982.28 2253.94,2938.12 2291.53,2900.53 2291.53,2841.79 2355.25,2778.07 2355.25,2771.36 2370.08,2756.54 STM32H743.35@2370.08,2673.23
BLE_PWRC: BLE1.22 STM32H743.85 | length 948.5
  Top Layer w10: STM32H743.85@2251.97,2062.99 2251.97,2108.52 2255.91,2112.46 v1(2255.91,2116.14) ; v1(2720.47,2043.31) 2726.38,2043.31 2755.79,2013.9 2851.93,2013.9 2865.24,2027.2 2865.24,2041.04 2934.43,2110.23 v1(2935.03,2110.23)
  Bottom Layer w10: v1(2255.91,2116.14) 2255.91,2080.71 2298.04,2038.58 cw(c2299.21,1986.22) 2315.73,2035.92 ccw(c2318.81,2045.43) 2318.73,2035.43 2708.91,2035.43 2716.79,2043.31 v1(2720.47,2043.31) ; v1(2935.03,2110.23) 2935.03,2161.41 2957.6,2183.98 BLE1.22@2957.6,2198.82
DIODE_1: D2.2 STM32H743.16 | length 1796.7
  Top Layer w8: STM32H743.16@2616.14,2427.17 2618.05,2425.26 2644.68,2425.26 2651.76,2418.18 2651.76,2417.24 2659.57,2409.43 v2(2659.57,2405.2) ; D2.2@2671.26,2921.18 2677.14,2921.18 2698.14,2900.18 2698.14,2888.47 2745.98,2840.63 2748.75,2840.63 2811.02,2778.36 2811.02,2737.39 2750.8,2677.17 v2(2753.12,2674.85) ; v2(2886.57,2237.75) 2889.56,2240.74 2909.57,2240.74 2927.2,2258.36 2950.08,2258.36 2963.63,2271.92 v1(3076.85,2271.92)
  Bottom Layer w8: v2(2659.57,2405.2) 2659.89,2405.51 2724.53,2405.51 2748.34,2429.32 2809.08,2429.32 2823.02,2415.37 2823.02,2409.47 2842.71,2389.78 2842.71,2370.06 2791.34,2318.69 2791.34,2305.28 2803.12,2293.5 ; v2@2755.59,2676.2 2756.4,2675.39 3020.09,2675.39 3151.76,2543.71 3151.76,2337.07 3120.62,2305.92 3112.13,2305.92 3078.13,2271.92 v1(3076.85,2271.92) ; 2803.17,2293.5 2858.92,2237.75 v2(2886.57,2237.75)
DIODE_2: D3.2 STM32H743.17 | length 1701.1
  Top Layer w8: D3.2@1938.98,3049.21 1956.76,3031.43 1956.76,3019.62 2067.87,3019.62 2135.11,3086.86 2534.63,3086.86 2542.33,3094.55 2617.12,3094.55 2628.39,3083.29 2628.39,3021.26 2661.66,2987.99 2687.2,2987.99 2714.13,2961.06 2714.13,2896.1 2740.16,2870.08 2761.81,2870.08 2848.43,2783.46 2848.43,2736.48 2767.72,2655.78 2767.72,2611.08 2757.34,2600.71 2757.34,2548.87 2765.75,2540.46 2765.75,2527.56 v2(2793.31,2500) ; STM32H743.17@2616.14,2446.85 2647.93,2446.85 2659.57,2458.5 v2(2659.57,2462.25)
  Bottom Layer w8: v2(2659.57,2462.25) 2660.41,2461.41 2721.25,2461.41 2724.41,2464.57 2757.87,2464.57 v2(2793.31,2500)
EEPROM_WC: E1.7 STM32H743.97 | length 398.3
  Top Layer w8: STM32H743.97@2488.19,2062.99 2490.09,2064.9 2490.09,2094.46 2510.11,2114.48 2587.23,2114.48 2589.26,2112.45 v2@2685.83,2112.45 ; v2(2762.59,2058.55) 2762.59,2056.05 E1.7@2781.99,2036.65 ; E1.7@2781.99,2036.61 E1.7@2811.02,2036.61
  Bottom Layer w8: v2(2685.83,2119.93) 2701.21,2119.93 v2(2762.59,2058.55)
ENK1_M1: M1.2 STM32H743.92 | length 1908.4
  Top Layer w10: v2(2378.44,1991.64) 2378.44,2023.62 2388.86,2034.04 2388.86,2062.09 STM32H743.92@2389.76,2062.99 ; M1.2@3584.65,2519.69 3586.61,2517.72 v2(3692.91,2517.72)
  Bottom Layer w10: v2(2378.44,1991.64) 2408.67,1961.41 2684.41,1961.41 2722.45,1999.45 2737.15,1999.45 2741.53,2003.84 3023.58,2003.84 3070.87,2051.13 3070.87,2196.85 3153.54,2279.53 3592.17,2279.53 3692.91,2380.27 v2(3692.91,2517.72)
ENK1_M2: M2.2 STM32H743.64 | length 1344.1
  Top Layer w10: M2.2@1017.72,2399.61 1037.4,2399.61 1151.57,2513.78 1232.57,2513.78 1248.66,2529.87 1248.66,2555.4 1264.76,2571.5 1290.29,2571.5 1332.95,2614.16 1332.95,2633.87 1384.13,2685.04 1720.68,2685.04 1740.11,2665.61 1884.07,2521.65 1895.67,2521.65 1907.2,2510.12 1932.94,2510.12 1948.82,2494.24 1948.82,2371.7 1971.19,2349.33 2005,2349.33 STM32H743.64@2005.91,2348.43
ENK2_M1: M1.3 STM32H743.93 | length 1669.6
  Top Layer w10: v2(2405.97,2010.62) 2408.58,2013.23 2408.58,2025.66 2409.45,2026.53 STM32H743.93@2409.45,2062.99 ; M1.3@3584.65,2460.63 3599.33,2445.94 3644.62,2445.94 v2(3667.33,2423.24)
  Bottom Layer w10: v2(2405.97,2010.62) 2406.38,2011.03 2468.42,2011.03 2474.83,2017.44 2729.69,2017.44 2734.08,2021.83 3016.12,2021.83 3052.87,2058.58 3052.87,2204.3 3153.69,2305.12 3547.59,2305.12 3643.27,2400.8 3644.89,2400.8 v2(3667.33,2423.24)
ENK2_M2: M2.3 STM32H743.63 | length 1317.1
  Top Layer w10: M2.3@1017.72,2458.66 1037.4,2458.66 1128.65,2549.91 1217.72,2549.91 1257.3,2589.49 1282.83,2589.49 1314.96,2621.62 1314.96,2641.32 1376.67,2703.03 1737.77,2703.03 1758.1,2682.7 1758.1,2673.06 1891.52,2539.65 1903.12,2539.65 1914.66,2528.11 1940.39,2528.11 1968.5,2500 1968.5,2377.46 1976.95,2369.02 2005,2369.02 STM32H743.63@2005.91,2368.11